# Altium PCB Audio-Beamformer_V1.0.PcbDoc (part 9 of 11) (continued)
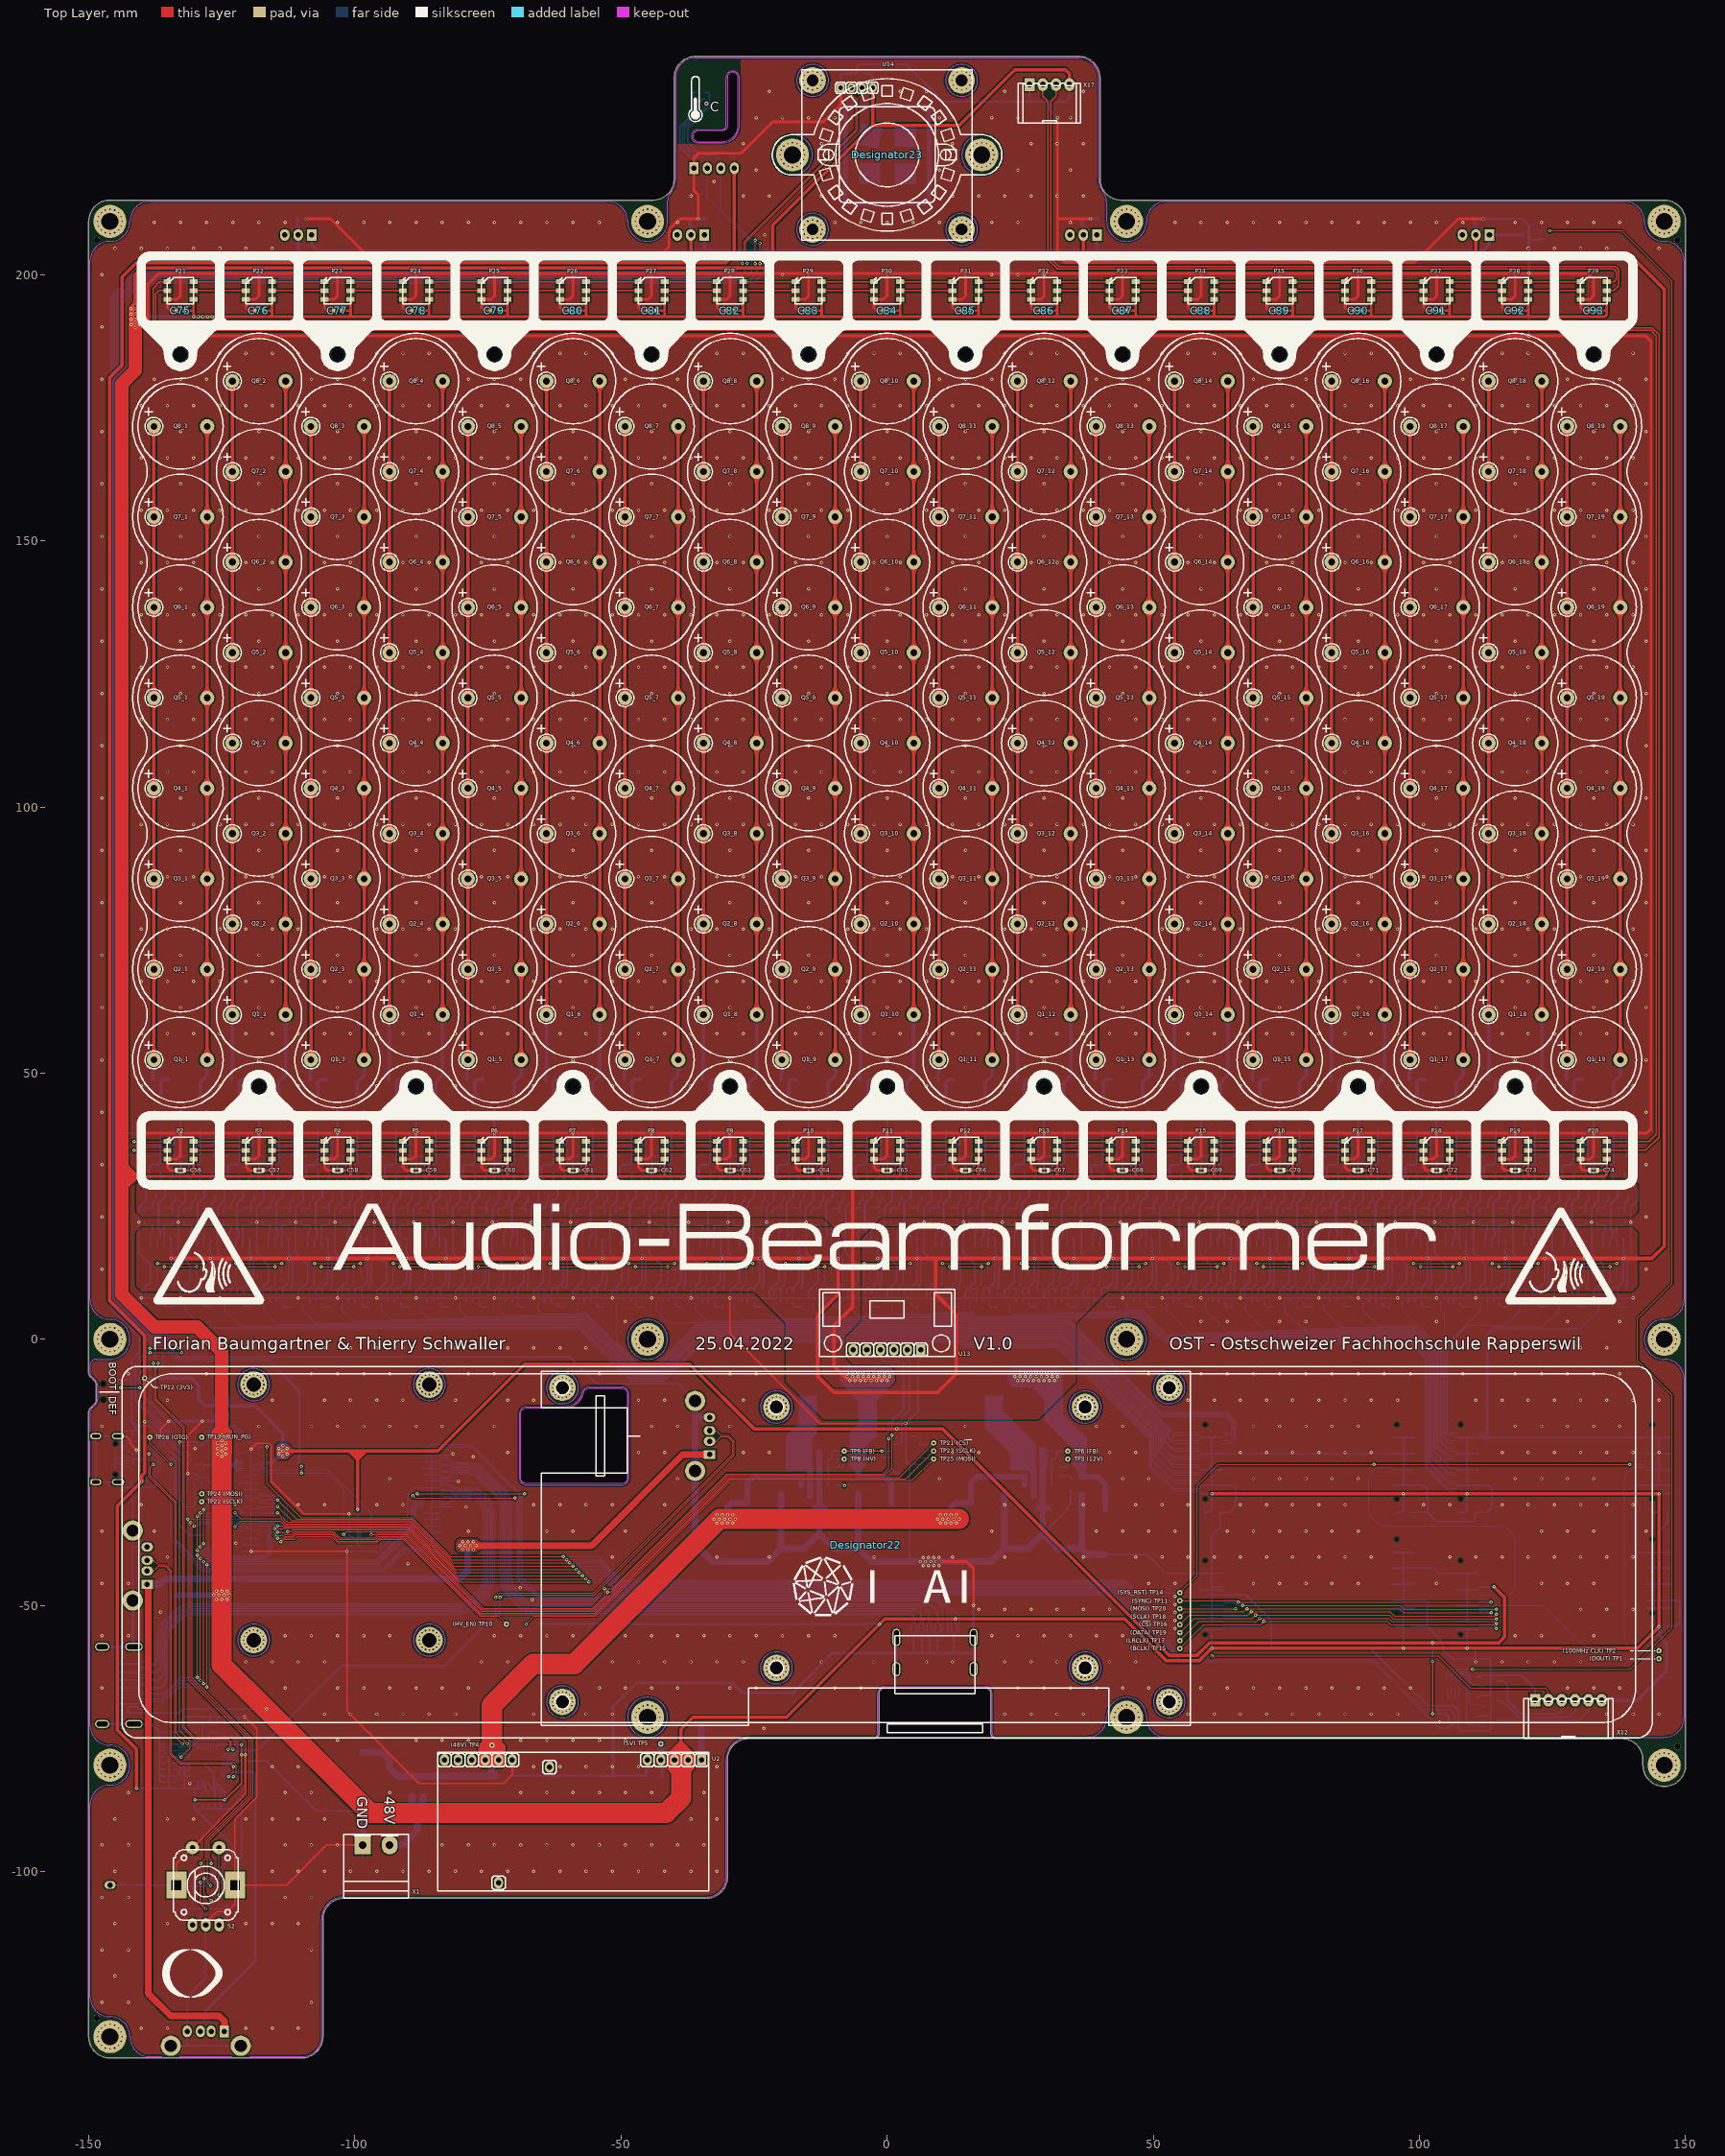
[diagram p0: Top Layer view]
## Nets (pads, with @x,y where several pads share a name; then routed paths per layer and width w, separated by ;. In a path a pad name is that pad's centre, name@x,y a point inside that pad or via, vN(x,y) a via of type N, cw(c..) or ccw(c..) an arc to the next point about the centre after c; other vN are vias at no path point) (continued)
NetP5_6: P5.6 P6.1 | length 9.9
  Top Layer w0.254: P5.6@-86.05,37.15 P6.1@-76.2,37.15
NetP6_5: P6.5 P7.2 | length 9.9
  Top Layer w0.254: P6.5@-71.3,35.5 P7.2@-61.45,35.5
NetP6_6: P6.6 P7.1 | length 9.9
  Top Layer w0.254: P6.6@-71.3,37.15 P7.1@-61.45,37.15
NetP7_5: P7.5 P8.2 | length 9.9
  Top Layer w0.254: P7.5@-56.55,35.5 P8.2@-46.7,35.5
NetP7_6: P7.6 P8.1 | length 9.9
  Top Layer w0.254: P7.6@-56.55,37.15 P8.1@-46.7,37.15
NetP8_5: P8.5 P9.2 | length 9.9
  Top Layer w0.254: P8.5@-41.8,35.5 P9.2@-31.95,35.5
NetP8_6: P8.6 P9.1 | length 9.9
  Top Layer w0.254: P8.6@-41.8,37.15 P9.1@-31.95,37.15
NetP9_5: P9.5 P10.2 | length 9.9
  Top Layer w0.254: P9.5@-27.05,35.5 P10.2@-17.2,35.5
NetP9_6: P9.6 P10.1 | length 9.9
  Top Layer w0.254: P9.6@-27.05,37.15 P10.1@-17.2,37.15
NetP10_5: P10.5 P11.2 | length 9.9
  Top Layer w0.254: P10.5@-12.3,35.5 P11.2@-2.45,35.5
NetP10_6: P10.6 P11.1 | length 9.9
  Top Layer w0.254: P10.6@-12.3,37.15 P11.1@-2.45,37.15
NetP11_5: P11.5 P12.2 | length 9.9
  Top Layer w0.254: P11.5@2.45,35.5 P12.2@12.3,35.5
NetP11_6: P11.6 P12.1 | length 9.9
  Top Layer w0.254: P11.6@2.45,37.15 P12.1@12.3,37.15
NetP12_5: P12.5 P13.2 | length 9.9
  Top Layer w0.254: P12.5@17.2,35.5 P13.2@27.05,35.5
NetP12_6: P12.6 P13.1 | length 9.9
  Top Layer w0.254: P12.6@17.2,37.15 P13.1@27.05,37.15
NetP13_5: P13.5 P14.2 | length 9.9
  Top Layer w0.254: P13.5@31.95,35.5 P14.2@41.8,35.5
NetP13_6: P13.6 P14.1 | length 9.9
  Top Layer w0.254: P13.6@31.95,37.15 P14.1@41.8,37.15
NetP14_5: P14.5 P15.2 | length 9.9
  Top Layer w0.254: P14.5@46.7,35.5 P15.2@56.55,35.5
NetP14_6: P14.6 P15.1 | length 9.9
  Top Layer w0.254: P14.6@46.7,37.15 P15.1@56.55,37.15
NetP15_5: P15.5 P16.2 | length 9.9
  Top Layer w0.254: P15.5@61.45,35.5 P16.2@71.3,35.5
NetP15_6: P15.6 P16.1 | length 9.9
  Top Layer w0.254: P15.6@61.45,37.15 P16.1@71.3,37.15
NetP16_5: P16.5 P17.2 | length 9.9
  Top Layer w0.254: P16.5@76.2,35.5 P17.2@86.05,35.5
NetP16_6: P16.6 P17.1 | length 9.9
  Top Layer w0.254: P16.6@76.2,37.15 P17.1@86.05,37.15
NetP17_5: P17.5 P18.2 | length 9.9
  Top Layer w0.254: P17.5@90.95,35.5 P18.2@100.8,35.5
NetP17_6: P17.6 P18.1 | length 9.9
  Top Layer w0.254: P17.6@90.95,37.15 P18.1@100.8,37.15
NetP18_5: P18.5 P19.2 | length 9.9
  Top Layer w0.254: P18.5@105.7,35.5 P19.2@115.55,35.5
NetP18_6: P18.6 P19.1 | length 9.9
  Top Layer w0.254: P18.6@105.7,37.15 P19.1@115.55,37.15
NetP19_5: P19.5 P20.2 | length 9.9
  Top Layer w0.254: P19.5@120.45,35.5 P20.2@130.3,35.5
NetP19_6: P19.6 P20.1 | length 9.9
  Top Layer w0.254: P19.6@120.45,37.15 P20.1@130.3,37.15
NetP20_5: P20.5 P21.2 | length 452.9
  Top Layer w0.254: P21.2@-135.2,197 -136.8,197 -137.4,196.4 -137.4,190.7 -136.7,190 143.707,190 145,188.707 145,38 142.5,35.5 P20.5@135.2,35.5
NetP20_6: P20.6 P21.1 | length 453.2
  Top Layer w0.254: P21.1@-135.2,198.65 -136.65,198.65 -137.9,197.4 -137.9,190.493 -136.907,189.5 143.5,189.5 144.5,188.5 144.5,38.5 143.15,37.15 P20.6@135.2,37.15
NetP21_5: P21.5 P22.2 | length 9.9
  Top Layer w0.254: P21.5@-130.3,197 P22.2@-120.45,197
NetP21_6: P21.6 P22.1 | length 9.9
  Top Layer w0.254: P21.6@-130.3,198.65 P22.1@-120.45,198.65
NetP22_5: P22.5 P23.2 | length 9.9
  Top Layer w0.254: P22.5@-115.55,197 P23.2@-105.7,197
NetP22_6: P22.6 P23.1 | length 9.9
  Top Layer w0.254: P22.6@-115.55,198.65 P23.1@-105.7,198.65
NetP23_5: P23.5 P24.2 | length 9.9
  Top Layer w0.254: P23.5@-100.8,197 P24.2@-90.95,197
NetP23_6: P23.6 P24.1 | length 9.9
  Top Layer w0.254: P23.6@-100.8,198.65 P24.1@-90.95,198.65
NetP24_5: P24.5 P25.2 | length 9.9
  Top Layer w0.254: P24.5@-86.05,197 P25.2@-76.2,197
NetP24_6: P24.6 P25.1 | length 9.9
  Top Layer w0.254: P24.6@-86.05,198.65 P25.1@-76.2,198.65
NetP25_5: P25.5 P26.2 | length 9.9
  Top Layer w0.254: P25.5@-71.3,197 P26.2@-61.45,197
NetP25_6: P25.6 P26.1 | length 9.9
  Top Layer w0.254: P25.6@-71.3,198.65 P26.1@-61.45,198.65
NetP26_5: P26.5 P27.2 | length 9.9
  Top Layer w0.254: P26.5@-56.55,197 P27.2@-46.7,197
NetP26_6: P26.6 P27.1 | length 9.9
  Top Layer w0.254: P26.6@-56.55,198.65 P27.1@-46.7,198.65
NetP27_5: P27.5 P28.2 | length 9.9
  Top Layer w0.254: P27.5@-41.8,197 P28.2@-31.95,197
NetP27_6: P27.6 P28.1 | length 9.9
  Top Layer w0.254: P27.6@-41.8,198.65 P28.1@-31.95,198.65
NetP28_5: P28.5 P29.2 | length 9.9
  Top Layer w0.254: P28.5@-27.05,197 P29.2@-17.2,197
NetP28_6: P28.6 P29.1 | length 9.9
  Top Layer w0.254: P28.6@-27.05,198.65 P29.1@-17.2,198.65
NetP29_5: P29.5 P30.2 | length 9.9
  Top Layer w0.254: P29.5@-12.3,197 P30.2@-2.45,197
NetP29_6: P29.6 P30.1 | length 9.9
  Top Layer w0.254: P29.6@-12.3,198.65 P30.1@-2.45,198.65
NetP30_5: P30.5 P31.2 | length 9.9
  Top Layer w0.254: P30.5@2.45,197 P31.2@12.3,197
NetP30_6: P30.6 P31.1 | length 9.9
  Top Layer w0.254: P30.6@2.45,198.65 P31.1@12.3,198.65
NetP31_5: P31.5 P32.2 | length 9.9
  Top Layer w0.254: P31.5@17.2,197 P32.2@27.05,197
NetP31_6: P31.6 P32.1 | length 9.9
  Top Layer w0.254: P31.6@17.2,198.65 P32.1@27.05,198.65
NetP32_5: P32.5 P33.2 | length 9.9
  Top Layer w0.254: P32.5@31.95,197 P33.2@41.8,197
NetP32_6: P32.6 P33.1 | length 9.9
  Top Layer w0.254: P32.6@31.95,198.65 P33.1@41.8,198.65
NetP33_5: P33.5 P34.2 | length 9.9
  Top Layer w0.254: P33.5@46.7,197 P34.2@56.55,197
NetP33_6: P33.6 P34.1 | length 9.9
  Top Layer w0.254: P33.6@46.7,198.65 P34.1@56.55,198.65
NetP34_5: P34.5 P35.2 | length 9.9
  Top Layer w0.254: P34.5@61.45,197 P35.2@71.3,197
NetP34_6: P34.6 P35.1 | length 9.9
  Top Layer w0.254: P34.6@61.45,198.65 P35.1@71.3,198.65
NetP35_5: P35.5 P36.2 | length 9.9
  Top Layer w0.254: P35.5@76.2,197 P36.2@86.05,197
NetP35_6: P35.6 P36.1 | length 9.9
  Top Layer w0.254: P35.6@76.2,198.65 P36.1@86.05,198.65
NetP36_5: P36.5 P37.2 | length 9.9
  Top Layer w0.254: P36.5@90.95,197 P37.2@100.8,197
NetP36_6: P36.6 P37.1 | length 9.9
  Top Layer w0.254: P36.6@90.95,198.65 P37.1@100.8,198.65
NetP37_5: P37.5 P38.2 | length 9.9
  Top Layer w0.254: P37.5@105.7,197 P38.2@115.55,197
NetP37_6: P37.6 P38.1 | length 9.9
  Top Layer w0.254: P37.6@105.7,198.65 P38.1@115.55,198.65
NetP38_5: P38.5 P39.2 | length 9.9
  Top Layer w0.254: P38.5@120.45,197 P39.2@130.3,197
NetP38_6: P38.6 P39.1 | length 9.9
  Top Layer w0.254: P38.6@120.45,198.65 P39.1@130.3,198.65
NetP39_5: P39.5 X17.3 | length 146.4
  Top Layer w0.254: X17.3@31.75,235.7 31.75,233.5 30.75,232.5 30.75,203.05 32.257,201.543 136.857,201.543 137.5,200.9 137.5,197.9 136.6,197 P39.5@135.2,197
NetP39_6: P39.6 X17.2 | length 144.4
  Top Layer w0.254: X17.2@29.25,235.7 29.25,233.5 30.25,232.5 30.25,202.843 32.05,201.043 136.501,201.043 137,200.544 137,199.1 136.55,198.65 P39.6@135.2,198.65
NetQ1_1_1: Q1_1.1 Q2_1.1 Q3_1.1 Q4_1.1 Q5_1.1 Q6_1.1 Q7_1.1 Q8_1.1 R18_1.2 | length 252.6
  Top Layer w0.635: Q1_1.1@-137.75,52.5 Q2_1.1@-137.75,69.5 Q3_1.1@-137.75,86.5 Q4_1.1@-137.75,103.5 Q5_1.1@-137.75,120.5 Q6_1.1@-137.75,137.5 Q7_1.1@-137.75,154.5 Q8_1.1@-137.75,171.5
  Bottom Layer w0.635: R18_1.2@-137.961,48.75 -137.913,48.799 -137.913,50.25 -137.75,50.413 Q1_1.1@-137.75,52.5 ; -137.75,160.75 Q8_1.1@-137.75,171.5 ; Q1_1.1@-137.745,52.5 -137.745,69.5 -137.745,86.5 -137.745,120.5 -137.745,137.5 -137.745,154.5 Q8_1.1@-137.745,171.5
NetQ1_2_1: Q1_2.1 Q2_2.1 Q3_2.1 Q4_2.1 Q5_2.1 Q6_2.1 Q7_2.1 Q8_2.1 R18_2.2 | length 372.3
  Top Layer w0.635: Q1_2.1@-123,61 Q8_2.1@-123,180
  Bottom Layer w0.635: R18_2.2@-123.211,48.75 -123.162,48.799 -123.162,50.25 -123,50.413 -123,52.5 ; Q1_2.1@-123,61 Q8_2.1@-123,180 ; -123,160.75 -123,171.5 ; -122.995,52.5 -122.995,172.253
NetQ1_3_1: Q1_3.1 Q2_3.1 Q3_3.1 Q4_3.1 Q5_3.1 Q6_3.1 Q7_3.1 Q8_3.1 R18_3.2 | length 253.3
  Top Layer w0.635: Q1_3.1@-108.25,52.5 Q8_3.1@-108.25,171.5
  Bottom Layer w0.635: R18_3.2@-108.462,48.75 -108.413,48.799 -108.413,50.25 -108.25,50.413 Q1_3.1@-108.25,52.5 ; -108.25,160.75 Q8_3.1@-108.25,171.5 ; Q1_3.1@-108.245,52.5 Q8_3.1@-108.245,172.253
NetQ1_4_1: Q1_4.1 Q2_4.1 Q3_4.1 Q4_4.1 Q5_4.1 Q6_4.1 Q7_4.1 Q8_4.1 R18_4.2 | length 372.3
  Top Layer w0.635: Q1_4.1@-93.5,61 Q8_4.1@-93.5,180
  Bottom Layer w0.635: R18_4.2@-93.711,48.75 -93.663,48.799 -93.663,50.25 -93.5,50.413 -93.5,52.5 ; Q1_4.1@-93.5,61 Q8_4.1@-93.5,180 ; -93.5,160.75 -93.5,171.5 ; -93.495,52.5 -93.495,172.253
NetQ1_5_1: Q1_5.1 Q2_5.1 Q3_5.1 Q4_5.1 Q5_5.1 Q6_5.1 Q7_5.1 Q8_5.1 R18_5.2 | length 253.3
  Top Layer w0.635: Q1_5.1@-78.75,52.5 Q8_5.1@-78.75,171.5
  Bottom Layer w0.635: R18_5.2@-78.961,48.75 -78.912,48.799 -78.912,50.25 -78.75,50.413 Q1_5.1@-78.75,52.5 ; -78.75,160.75 Q8_5.1@-78.75,171.5 ; Q1_5.1@-78.745,52.5 Q8_5.1@-78.745,172.253
NetQ1_6_1: Q1_6.1 Q2_6.1 Q3_6.1 Q4_6.1 Q5_6.1 Q6_6.1 Q7_6.1 Q8_6.1 R18_6.2 | length 372.3
  Top Layer w0.635: Q1_6.1@-64,61 Q8_6.1@-64,180
  Bottom Layer w0.635: R18_6.2@-64.211,48.75 -64.163,48.799 -64.163,50.25 -64,50.413 -64,52.5 ; Q1_6.1@-64,61 Q8_6.1@-64,180 ; -64,160.75 -64,171.5 ; -63.995,52.5 -63.995,172.253
NetQ1_7_1: Q1_7.1 Q2_7.1 Q3_7.1 Q4_7.1 Q5_7.1 Q6_7.1 Q7_7.1 Q8_7.1 R18_7.2 | length 253.3
  Top Layer w0.635: Q1_7.1@-49.25,52.5 Q8_7.1@-49.25,171.5
  Bottom Layer w0.635: R18_7.2@-49.461,48.75 -49.412,48.799 -49.412,50.25 -49.25,50.413 Q1_7.1@-49.25,52.5 ; -49.25,160.75 Q8_7.1@-49.25,171.5 ; Q1_7.1@-49.245,52.5 Q8_7.1@-49.245,172.253
NetQ1_8_1: Q1_8.1 Q2_8.1 Q3_8.1 Q4_8.1 Q5_8.1 Q6_8.1 Q7_8.1 Q8_8.1 R18_8.2 | length 372.3
  Top Layer w0.635: Q1_8.1@-34.5,61 Q8_8.1@-34.5,180
  Bottom Layer w0.635: R18_8.2@-34.712,48.75 -34.663,48.799 -34.663,50.25 -34.5,50.413 -34.5,52.5 ; Q1_8.1@-34.5,61 Q8_8.1@-34.5,180 ; -34.5,160.75 -34.5,171.5 ; -34.495,52.5 -34.495,172.253
NetQ1_9_1: Q1_9.1 Q2_9.1 Q3_9.1 Q4_9.1 Q5_9.1 Q6_9.1 Q7_9.1 Q8_9.1 R18_9.2 | length 253.3
  Top Layer w0.635: Q1_9.1@-19.75,52.5 Q8_9.1@-19.75,171.5
  Bottom Layer w0.635: R18_9.2@-19.961,48.75 -19.913,48.799 -19.913,50.25 -19.75,50.413 Q1_9.1@-19.75,52.5 ; -19.75,160.75 Q8_9.1@-19.75,171.5 ; Q1_9.1@-19.745,52.5 Q8_9.1@-19.745,172.253
NetQ1_10_1: Q1_10.1 Q2_10.1 Q3_10.1 Q4_10.1 Q5_10.1 Q6_10.1 Q7_10.1 Q8_10.1 R18_10.2 | length 372.3
  Top Layer w0.635: Q1_10.1@-5,61 Q8_10.1@-5,180
  Bottom Layer w0.635: R18_10.2@-5.211,48.75 -5.162,48.799 -5.162,50.25 -5,50.413 -5,52.5 ; Q1_10.1@-5,61 Q8_10.1@-5,180 ; -5,160.75 -5,171.5 ; -4.995,52.5 -4.995,172.253
NetQ1_11_1: Q1_11.1 Q2_11.1 Q3_11.1 Q4_11.1 Q5_11.1 Q6_11.1 Q7_11.1 Q8_11.1 R18_11.2 | length 253.3
  Top Layer w0.635: Q1_11.1@9.75,52.5 Q8_11.1@9.75,171.5
  Bottom Layer w0.635: R18_11.2@9.539,48.75 9.588,48.799 9.588,50.25 9.75,50.413 Q1_11.1@9.75,52.5 ; 9.75,160.75 Q8_11.1@9.75,171.5 ; Q1_11.1@9.755,52.5 Q8_11.1@9.755,172.253
NetQ1_12_1: Q1_12.1 Q2_12.1 Q3_12.1 Q4_12.1 Q5_12.1 Q6_12.1 Q7_12.1 Q8_12.1 R18_12.2 | length 372.3
  Top Layer w0.635: Q1_12.1@24.5,61 Q8_12.1@24.5,180
  Bottom Layer w0.635: R18_12.2@24.289,48.75 24.338,48.799 24.338,50.25 24.5,50.413 24.5,52.5 ; Q1_12.1@24.5,61 Q8_12.1@24.5,180 ; 24.5,160.75 24.5,171.5 ; 24.505,52.5 24.505,172.253
NetQ1_13_1: Q1_13.1 Q2_13.1 Q3_13.1 Q4_13.1 Q5_13.1 Q6_13.1 Q7_13.1 Q8_13.1 R18_13.2 | length 253.3
  Top Layer w0.635: Q1_13.1@39.25,52.5 Q8_13.1@39.25,171.5
  Bottom Layer w0.635: R18_13.2@39.039,48.75 39.088,48.799 39.088,50.25 39.25,50.413 Q1_13.1@39.25,52.5 ; 39.25,160.75 Q8_13.1@39.25,171.5 ; Q1_13.1@39.255,52.5 Q8_13.1@39.255,172.253
NetQ1_14_1: Q1_14.1 Q2_14.1 Q3_14.1 Q4_14.1 Q5_14.1 Q6_14.1 Q7_14.1 Q8_14.1 R18_14.2 | length 372.3
  Top Layer w0.635: Q1_14.1@54,61 Q8_14.1@54,180
  Bottom Layer w0.635: R18_14.2@53.789,48.75 53.838,48.799 53.838,50.25 54,50.413 54,52.5 ; Q1_14.1@54,61 Q8_14.1@54,180 ; 54,160.75 54,171.5 ; 54.005,52.5 54.005,172.253
NetQ1_15_1: Q1_15.1 Q2_15.1 Q3_15.1 Q4_15.1 Q5_15.1 Q6_15.1 Q7_15.1 Q8_15.1 R18_15.2 | length 253.3
  Top Layer w0.635: Q1_15.1@68.75,52.5 Q8_15.1@68.75,171.5
  Bottom Layer w0.635: R18_15.2@68.539,48.75 68.588,48.799 68.588,50.25 68.75,50.413 Q1_15.1@68.75,52.5 ; 68.75,160.75 Q8_15.1@68.75,171.5 ; Q1_15.1@68.755,52.5 Q8_15.1@68.755,172.253
NetQ1_16_1: Q1_16.1 Q2_16.1 Q3_16.1 Q4_16.1 Q5_16.1 Q6_16.1 Q7_16.1 Q8_16.1 R18_16.2 | length 372.3
  Top Layer w0.635: Q1_16.1@83.5,61 Q8_16.1@83.5,180
  Bottom Layer w0.635: R18_16.2@83.289,48.75 83.338,48.799 83.338,50.25 83.5,50.413 83.5,52.5 ; Q1_16.1@83.5,61 Q8_16.1@83.5,180 ; 83.5,160.75 83.5,171.5 ; 83.505,52.5 83.505,172.253
NetQ1_17_1: Q1_17.1 Q2_17.1 Q3_17.1 Q4_17.1 Q5_17.1 Q6_17.1 Q7_17.1 Q8_17.1 R18_17.2 | length 253.3
  Top Layer w0.635: Q1_17.1@98.25,52.5 Q8_17.1@98.25,171.5
  Bottom Layer w0.635: R18_17.2@98.039,48.75 98.088,48.799 98.088,50.25 98.25,50.413 Q1_17.1@98.25,52.5 ; 98.25,160.75 Q8_17.1@98.25,171.5 ; Q1_17.1@98.255,52.5 Q8_17.1@98.255,172.253
NetQ1_18_1: Q1_18.1 Q2_18.1 Q3_18.1 Q4_18.1 Q5_18.1 Q6_18.1 Q7_18.1 Q8_18.1 R18_18.2 | length 372.3
  Top Layer w0.635: Q1_18.1@113,61 Q8_18.1@113,180
  Bottom Layer w0.635: R18_18.2@112.789,48.75 112.838,48.799 112.838,50.25 113,50.413 113,52.5 ; Q1_18.1@113,61 Q8_18.1@113,180 ; 113,160.75 113,171.5 ; 113.005,52.5 113.005,172.253
NetQ1_19_1: Q1_19.1 Q2_19.1 Q3_19.1 Q4_19.1 Q5_19.1 Q6_19.1 Q7_19.1 Q8_19.1 R18_19.2 | length 253.3
  Top Layer w0.635: Q1_19.1@127.75,52.5 Q8_19.1@127.75,171.5
  Bottom Layer w0.635: R18_19.2@127.539,48.75 127.588,48.799 127.588,50.25 127.75,50.413 Q1_19.1@127.75,52.5 ; 127.75,160.75 Q8_19.1@127.75,171.5 ; Q1_19.1@127.755,52.5 Q8_19.1@127.755,172.253
NetR3_2: R3.2 U1.5 | length 2.9
  Bottom Layer w0.152: U1.5@32.6,-25.85 32.9,-25.55 34.25,-25.55 34.5,-25.8 R3.2@34.5,-26.588
NetR7_1: R7.1 R9.1 U3.5 | length 74.4
  Top Layer w0.152: v1(-67.8,-53.5) -66.3,-52 -54.7,-52 -29.5,-26.8 -8.7,-26.8 v1(-8,-27.5)
  Bottom Layer w0.152: R9.1@-68.738,-53.5 R7.1@-66.862,-53.5
  Bottom Layer w0.254: U3.5@-9.4,-27.525 -9.375,-27.5 v1(-8,-27.5)
NetR8_1: R8.1 U4.5 | length 3.1
  Bottom Layer w0.25: U4.5@0.8,-23.505 0.8,-24.3 1.6,-25.1 R8.1@2.738,-25.1
NetR10_2: R10.2 U5.21 | length 3.8
  Bottom Layer w0.152: R10.2@-124.338,-36.8 -122.9,-36.8 -121.9,-35.8 U5.21@-121,-35.8
NetR12_1_2: R12_1.2 R22_1.2 U6_1.2 U7_1.3 | length 19.1
  Top Layer w0.152: v1(-137.08,14.268) v1(-128.435,14.268)
  Bottom Layer w0.152: R12_1.2@-139.225,8.512 -139.225,9.244 -138.969,9.5 -137.994,9.5 -137.072,10.421 U7_1.3@-137.072,12.051 v1@-137.072,14.275 ; R22_1.2@-138.025,8.512 -138.025,9.469 ; U6_1.2@-128.427,12.051 v1@-128.427,14.275
NetR12_2_2: R12_2.2 R22_2.2 U6_2.2 U7_2.3 | length 19.1
  Top Layer w0.152: v1(-122.33,14.268) v1(-113.684,14.268)
  Bottom Layer w0.152: R12_2.2@-124.475,8.512 -124.475,9.244 -124.219,9.5 -123.244,9.5 -122.322,10.421 U7_2.3@-122.322,12.051 v1@-122.322,14.275 ; R22_2.2@-123.275,8.512 -123.275,9.469 ; U6_2.2@-113.677,12.051 v1@-113.677,14.275
NetR12_3_2: R12_3.2 R22_3.2 U6_3.2 U7_3.3 | length 19.1
  Top Layer w0.152: v1(-107.58,14.268) v1(-98.935,14.268)
  Bottom Layer w0.152: R12_3.2@-109.725,8.512 -109.725,9.244 -109.469,9.5 -108.494,9.5 -107.572,10.421 U7_3.3@-107.572,12.051 v1@-107.572,14.275 ; R22_3.2@-108.525,8.512 -108.525,9.469 ; U6_3.2@-98.927,12.051 v1@-98.927,14.275
NetR12_4_2: R12_4.2 R22_4.2 U6_4.2 U7_4.3 | length 19.1
  Top Layer w0.152: v1(-92.83,14.268) v1(-84.185,14.268)
  Bottom Layer w0.152: R12_4.2@-94.975,8.512 -94.975,9.244 -94.719,9.5 -93.744,9.5 -92.822,10.421 U7_4.3@-92.822,12.051 v1@-92.822,14.275 ; R22_4.2@-93.775,8.512 -93.775,9.469 ; U6_4.2@-84.177,12.051 v1@-84.177,14.275
NetR12_5_2: R12_5.2 R22_5.2 U6_5.2 U7_5.3 | length 19.1
  Top Layer w0.152: v1@-78.078,14.268 v1(-69.434,14.268)
  Bottom Layer w0.152: R12_5.2@-80.225,8.512 -80.225,9.244 -79.969,9.5 -78.994,9.5 -78.072,10.421 U7_5.3@-78.072,12.051 v1@-78.072,14.275 ; R22_5.2@-79.025,8.512 -79.025,9.469 ; U6_5.2@-69.427,12.051 v1@-69.427,14.275
  other v1: -78.08,14.268
NetR12_6_2: R12_6.2 R22_6.2 U6_6.2 U7_6.3 | length 19.1
  Top Layer w0.152: v1@-63.328,14.268 v1(-54.685,14.268)
  Bottom Layer w0.152: R12_6.2@-65.475,8.512 -65.475,9.244 -65.219,9.5 -64.244,9.5 -63.322,10.421 U7_6.3@-63.322,12.051 v1@-63.322,14.275 ; R22_6.2@-64.275,8.512 -64.275,9.469 ; U6_6.2@-54.677,12.051 v1@-54.677,14.275
  other v1: -63.33,14.268
NetR12_7_2: R12_7.2 R22_7.2 U6_7.2 U7_7.3 | length 19.1
  Top Layer w0.152: v1@-48.578,14.268 v1(-39.934,14.268)
  Bottom Layer w0.152: R12_7.2@-50.725,8.512 -50.725,9.244 -50.469,9.5 -49.494,9.5 -48.572,10.421 U7_7.3@-48.572,12.051 v1@-48.572,14.275 ; R22_7.2@-49.525,8.512 -49.525,9.469 ; U6_7.2@-39.927,12.051 v1@-39.927,14.275
  other v1: -48.58,14.268
NetR12_8_2: R12_8.2 R22_8.2 U6_8.2 U7_8.3 | length 19.1
  Top Layer w0.152: v1@-33.828,14.268 v1(-25.185,14.268)
  Bottom Layer w0.152: R12_8.2@-35.975,8.512 -35.975,9.244 -35.719,9.5 -34.744,9.5 -33.822,10.421 U7_8.3@-33.822,12.051 v1@-33.822,14.275 ; R22_8.2@-34.775,8.512 -34.775,9.469 ; U6_8.2@-25.177,12.051 v1@-25.177,14.275
  other v1: -33.83,14.268
NetR12_9_2: R12_9.2 R22_9.2 U6_9.2 U7_9.3 | length 19.1
  Top Layer w0.152: v1@-19.078,14.268 v1(-10.435,14.268)
  Bottom Layer w0.152: R12_9.2@-21.225,8.512 -21.225,9.244 -20.969,9.5 -19.994,9.5 -19.072,10.421 U7_9.3@-19.072,12.051 v1@-19.072,14.275 ; R22_9.2@-20.025,8.512 -20.025,9.469 ; U6_9.2@-10.427,12.051 v1@-10.427,14.275
  other v1: -19.08,14.268
NetR12_10_2: R12_10.2 R22_10.2 U6_10.2 U7_10.3 | length 19.1
  Top Layer w0.152: v1(-4.33,14.268) v1(4.316,14.268)
  Bottom Layer w0.152: R12_10.2@-6.475,8.512 -6.475,9.244 -6.219,9.5 -5.244,9.5 -4.322,10.421 U7_10.3@-4.322,12.051 v1@-4.322,14.275 ; R22_10.2@-5.275,8.512 -5.275,9.469 ; U6_10.2@4.323,12.051 v1@4.323,14.275
NetR12_11_2: R12_11.2 R22_11.2 U6_11.2 U7_11.3 | length 19.1
  Top Layer w0.152: v1(10.42,14.268) v1(19.066,14.268)
  Bottom Layer w0.152: R12_11.2@8.275,8.512 8.275,9.244 8.531,9.5 9.506,9.5 10.428,10.421 U7_11.3@10.428,12.051 v1@10.428,14.275 ; R22_11.2@9.475,8.512 9.475,9.469 ; U6_11.2@19.073,12.051 v1@19.073,14.275
NetR12_12_2: R12_12.2 R22_12.2 U6_12.2 U7_12.3 | length 19.1
  Top Layer w0.152: v1(25.171,14.268) v1(33.816,14.268)
  Bottom Layer w0.152: R12_12.2@23.025,8.512 23.025,9.244 23.281,9.5 24.256,9.5 25.178,10.421 U7_12.3@25.178,12.051 v1@25.178,14.275 ; R22_12.2@24.225,8.512 24.225,9.469 ; U6_12.2@33.823,12.051 v1@33.823,14.275
NetR12_13_2: R12_13.2 R22_13.2 U6_13.2 U7_13.3 | length 19.1
  Top Layer w0.152: v1(39.92,14.268) v1(48.566,14.268)
  Bottom Layer w0.152: R12_13.2@37.775,8.512 37.775,9.244 38.031,9.5 39.006,9.5 39.928,10.421 U7_13.3@39.928,12.051 v1@39.928,14.275 ; R22_13.2@38.975,8.512 38.975,9.469 ; U6_13.2@48.573,12.051 v1@48.573,14.275
NetR12_14_2: R12_14.2 R22_14.2 U6_14.2 U7_14.3 | length 19.1
  Top Layer w0.152: v1(54.671,14.268) v1(63.316,14.268)
  Bottom Layer w0.152: R12_14.2@52.525,8.512 52.525,9.244 52.781,9.5 53.756,9.5 54.678,10.421 U7_14.3@54.678,12.051 v1@54.678,14.275 ; R22_14.2@53.725,8.512 53.725,9.469 ; U6_14.2@63.323,12.051 v1@63.323,14.275
NetR12_15_2: R12_15.2 R22_15.2 U6_15.2 U7_15.3 | length 19.1
  Top Layer w0.152: v1(69.42,14.268) v1(78.066,14.268)
  Bottom Layer w0.152: R12_15.2@67.275,8.512 67.275,9.244 67.531,9.5 68.506,9.5 69.428,10.421 U7_15.3@69.428,12.051 v1@69.428,14.275 ; R22_15.2@68.475,8.512 68.475,9.469 ; U6_15.2@78.073,12.051 v1@78.073,14.275
NetR12_16_2: R12_16.2 R22_16.2 U6_16.2 U7_16.3 | length 19.1
  Top Layer w0.152: v1(84.17,14.268) v1(92.816,14.268)
  Bottom Layer w0.152: R12_16.2@82.025,8.512 82.025,9.244 82.281,9.5 83.256,9.5 84.178,10.421 U7_16.3@84.178,12.051 v1@84.178,14.275 ; R22_16.2@83.225,8.512 83.225,9.469 ; U6_16.2@92.823,12.051 v1@92.823,14.275
NetR12_17_2: R12_17.2 R22_17.2 U6_17.2 U7_17.3 | length 19.1
  Top Layer w0.152: v1@98.922,14.268 v1(107.566,14.268)
  Bottom Layer w0.152: R12_17.2@96.775,8.512 96.775,9.244 97.031,9.5 98.006,9.5 98.928,10.421 U7_17.3@98.928,12.051 v1@98.928,14.275 ; R22_17.2@97.975,8.512 97.975,9.469 ; U6_17.2@107.573,12.051 v1@107.573,14.275
  other v1: 98.921,14.268
NetR12_18_2: R12_18.2 R22_18.2 U6_18.2 U7_18.3 | length 19.1
  Top Layer w0.152: v1@113.672,14.268 v1(122.316,14.268)
  Bottom Layer w0.152: R12_18.2@111.525,8.512 111.525,9.244 111.781,9.5 112.756,9.5 113.678,10.421 U7_18.3@113.678,12.051 v1@113.678,14.275 ; R22_18.2@112.725,8.512 112.725,9.469 ; U6_18.2@122.323,12.051 v1@122.323,14.275
  other v1: 113.67,14.268
NetR12_19_2: R12_19.2 R22_19.2 U6_19.2 U7_19.3 | length 19.1
  Top Layer w0.152: v1@128.422,14.268 v1(137.066,14.268)
  Bottom Layer w0.152: R12_19.2@126.275,8.512 126.275,9.244 126.531,9.5 127.506,9.5 128.428,10.421 U7_19.3@128.428,12.051 v1@128.428,14.275 ; R22_19.2@127.475,8.512 127.475,9.469 ; U6_19.2@137.073,12.051 v1@137.073,14.275
  other v1: 128.421,14.268
NetR14_1_2: R14_1.2 R21_1.2 U6_1.3 U7_1.2 | length 15.2
  Top Layer w0.152: v1(-135.81,13.633) v1(-129.705,13.633)
  Bottom Layer w0.152: U7_1.2@-135.802,12.051 v1@-135.802,13.64 ; R14_1.2@-131.85,8.512 -131.85,9.244 -131.594,9.5 -130.619,9.5 -129.697,10.421 U6_1.3@-129.697,12.051 v1@-129.697,13.633 ; R21_1.2@-130.65,8.512 -130.65,9.469
NetR14_2_2: R14_2.2 R21_2.2 U6_2.3 U7_2.2 | length 15.2
  Top Layer w0.152: v1(-121.06,13.633) v1(-114.954,13.633)
  Bottom Layer w0.152: U7_2.2@-121.052,12.051 v1@-121.052,13.64 ; R14_2.2@-117.1,8.512 -117.1,9.244 -116.844,9.5 -115.869,9.5 -114.947,10.421 U6_2.3@-114.947,12.051 v1@-114.947,13.633 ; R21_2.2@-115.9,8.512 -115.9,9.469
NetR14_3_2: R14_3.2 R21_3.2 U6_3.3 U7_3.2 | length 15.2
  Top Layer w0.152: v1(-106.31,13.633) v1(-100.205,13.633)
  Bottom Layer w0.152: U7_3.2@-106.302,12.051 v1@-106.302,13.64 ; R14_3.2@-102.35,8.512 -102.35,9.244 -102.094,9.5 -101.119,9.5 -100.197,10.421 U6_3.3@-100.197,12.051 v1@-100.197,13.633 ; R21_3.2@-101.15,8.512 -101.15,9.469
NetR14_4_2: R14_4.2 R21_4.2 U6_4.3 U7_4.2 | length 15.2
  Top Layer w0.152: v1(-91.56,13.633) v1(-85.455,13.633)
  Bottom Layer w0.152: U7_4.2@-91.552,12.051 v1@-91.552,13.64 ; R14_4.2@-87.6,8.512 -87.6,9.244 -87.344,9.5 -86.369,9.5 -85.447,10.421 U6_4.3@-85.447,12.051 v1@-85.447,13.633 ; R21_4.2@-86.4,8.512 -86.4,9.469
NetR14_5_2: R14_5.2 R21_5.2 U6_5.3 U7_5.2 | length 15.2
  Top Layer w0.152: v1@-76.808,13.633 v1(-70.704,13.633)
  Bottom Layer w0.152: U7_5.2@-76.802,12.051 v1@-76.802,13.64 ; R14_5.2@-72.85,8.512 -72.85,9.244 -72.594,9.5 -71.619,9.5 -70.697,10.421 U6_5.3@-70.697,12.051 v1@-70.697,13.633 ; R21_5.2@-71.65,8.512 -71.65,9.469
  other v1: -76.81,13.633
NetR14_6_2: R14_6.2 R21_6.2 U6_6.3 U7_6.2 | length 15.2
  Top Layer w0.152: v1@-62.058,13.633 v1(-55.955,13.633)
  Bottom Layer w0.152: U7_6.2@-62.052,12.051 v1@-62.052,13.64 ; R14_6.2@-58.1,8.512 -58.1,9.244 -57.844,9.5 -56.869,9.5 -55.947,10.421 U6_6.3@-55.947,12.051 v1@-55.947,13.633 ; R21_6.2@-56.9,8.512 -56.9,9.469
  other v1: -62.06,13.633
NetR14_7_2: R14_7.2 R21_7.2 U6_7.3 U7_7.2 | length 15.2
  Top Layer w0.152: v1@-47.308,13.633 v1(-41.204,13.633)
  Bottom Layer w0.152: U7_7.2@-47.302,12.051 v1@-47.302,13.64 ; R14_7.2@-43.35,8.512 -43.35,9.244 -43.094,9.5 -42.119,9.5 -41.197,10.421 U6_7.3@-41.197,12.051 v1@-41.197,13.633 ; R21_7.2@-42.15,8.512 -42.15,9.469
  other v1: -47.31,13.633
NetR14_8_2: R14_8.2 R21_8.2 U6_8.3 U7_8.2 | length 15.2
  Top Layer w0.152: v1@-32.558,13.633 v1(-26.455,13.633)
  Bottom Layer w0.152: U7_8.2@-32.552,12.051 v1@-32.552,13.64 ; R14_8.2@-28.6,8.512 -28.6,9.244 -28.344,9.5 -27.369,9.5 -26.447,10.421 U6_8.3@-26.447,12.051 v1@-26.447,13.633 ; R21_8.2@-27.4,8.512 -27.4,9.469
  other v1: -32.56,13.633
NetR14_9_2: R14_9.2 R21_9.2 U6_9.3 U7_9.2 | length 15.2
  Top Layer w0.152: v1@-17.808,13.633 v1(-11.705,13.633)
  Bottom Layer w0.152: U7_9.2@-17.802,12.051 v1@-17.802,13.64 ; R14_9.2@-13.85,8.512 -13.85,9.244 -13.594,9.5 -12.619,9.5 -11.697,10.421 U6_9.3@-11.697,12.051 v1@-11.697,13.633 ; R21_9.2@-12.65,8.512 -12.65,9.469
  other v1: -17.81,13.633
NetR14_10_2: R14_10.2 R21_10.2 U6_10.3 U7_10.2 | length 15.2
  Top Layer w0.152: v1(-3.06,13.633) v1(3.046,13.633)
  Bottom Layer w0.152: U7_10.2@-3.052,12.051 v1@-3.052,13.64 ; R14_10.2@0.9,8.512 0.9,9.244 1.156,9.5 2.131,9.5 3.053,10.421 U6_10.3@3.053,12.051 v1@3.053,13.633 ; R21_10.2@2.1,8.512 2.1,9.469
NetR14_11_2: R14_11.2 R21_11.2 U6_11.3 U7_11.2 | length 15.2
  Top Layer w0.152: v1(11.69,13.633) v1(17.796,13.633)
  Bottom Layer w0.152: U7_11.2@11.698,12.051 v1@11.698,13.64 ; R14_11.2@15.65,8.512 15.65,9.244 15.906,9.5 16.881,9.5 17.803,10.421 U6_11.3@17.803,12.051 v1@17.803,13.633 ; R21_11.2@16.85,8.512 16.85,9.469
NetR14_12_2: R14_12.2 R21_12.2 U6_12.3 U7_12.2 | length 15.2
  Top Layer w0.152: v1(26.441,13.633) v1(32.546,13.633)
  Bottom Layer w0.152: U7_12.2@26.448,12.051 v1@26.448,13.64 ; R14_12.2@30.4,8.512 30.4,9.244 30.656,9.5 31.631,9.5 32.553,10.421 U6_12.3@32.553,12.051 v1@32.553,13.633 ; R21_12.2@31.6,8.512 31.6,9.469
NetR14_13_2: R14_13.2 R21_13.2 U6_13.3 U7_13.2 | length 15.2
  Top Layer w0.152: v1(41.19,13.633) v1(47.296,13.633)
  Bottom Layer w0.152: U7_13.2@41.198,12.051 v1@41.198,13.64 ; R14_13.2@45.15,8.512 45.15,9.244 45.406,9.5 46.381,9.5 47.303,10.421 U6_13.3@47.303,12.051 v1@47.303,13.633 ; R21_13.2@46.35,8.512 46.35,9.469
NetR14_14_2: R14_14.2 R21_14.2 U6_14.3 U7_14.2 | length 15.2
  Top Layer w0.152: v1(55.941,13.633) v1(62.046,13.633)
  Bottom Layer w0.152: U7_14.2@55.948,12.051 v1@55.948,13.64 ; R14_14.2@59.9,8.512 59.9,9.244 60.156,9.5 61.131,9.5 62.053,10.421 U6_14.3@62.053,12.051 v1@62.053,13.633 ; R21_14.2@61.1,8.512 61.1,9.469
NetR14_15_2: R14_15.2 R21_15.2 U6_15.3 U7_15.2 | length 15.2
  Top Layer w0.152: v1(70.69,13.633) v1(76.796,13.633)
  Bottom Layer w0.152: U7_15.2@70.698,12.051 v1@70.698,13.64 ; R14_15.2@74.65,8.512 74.65,9.244 74.906,9.5 75.881,9.5 76.803,10.421 U6_15.3@76.803,12.051 v1@76.803,13.633 ; R21_15.2@75.85,8.512 75.85,9.469
NetR14_16_2: R14_16.2 R21_16.2 U6_16.3 U7_16.2 | length 15.2
  Top Layer w0.152: v1(85.44,13.633) v1(91.546,13.633)
  Bottom Layer w0.152: U7_16.2@85.448,12.051 v1@85.448,13.64 ; R14_16.2@89.4,8.512 89.4,9.244 89.656,9.5 90.631,9.5 91.553,10.421 U6_16.3@91.553,12.051 v1@91.553,13.633 ; R21_16.2@90.6,8.512 90.6,9.469
NetR14_17_2: R14_17.2 R21_17.2 U6_17.3 U7_17.2 | length 15.2
  Top Layer w0.152: v1@100.192,13.633 v1(106.296,13.633)
  Bottom Layer w0.152: U7_17.2@100.198,12.051 v1@100.198,13.64 ; R14_17.2@104.15,8.512 104.15,9.244 104.406,9.5 105.381,9.5 106.303,10.421 U6_17.3@106.303,12.051 v1@106.303,13.633 ; R21_17.2@105.35,8.512 105.35,9.469
  other v1: 100.191,13.633
NetR14_18_2: R14_18.2 R21_18.2 U6_18.3 U7_18.2 | length 15.2
  Top Layer w0.152: v1@114.942,13.633 v1(121.046,13.633)
  Bottom Layer w0.152: U7_18.2@114.948,12.051 v1@114.948,13.64 ; R14_18.2@118.9,8.512 118.9,9.244 119.156,9.5 120.131,9.5 121.053,10.421 U6_18.3@121.053,12.051 v1@121.053,13.633 ; R21_18.2@120.1,8.512 120.1,9.469
  other v1: 114.94,13.633